# KiCad board GNSS_breakout_L86-M33.kicad_pcb (continued)
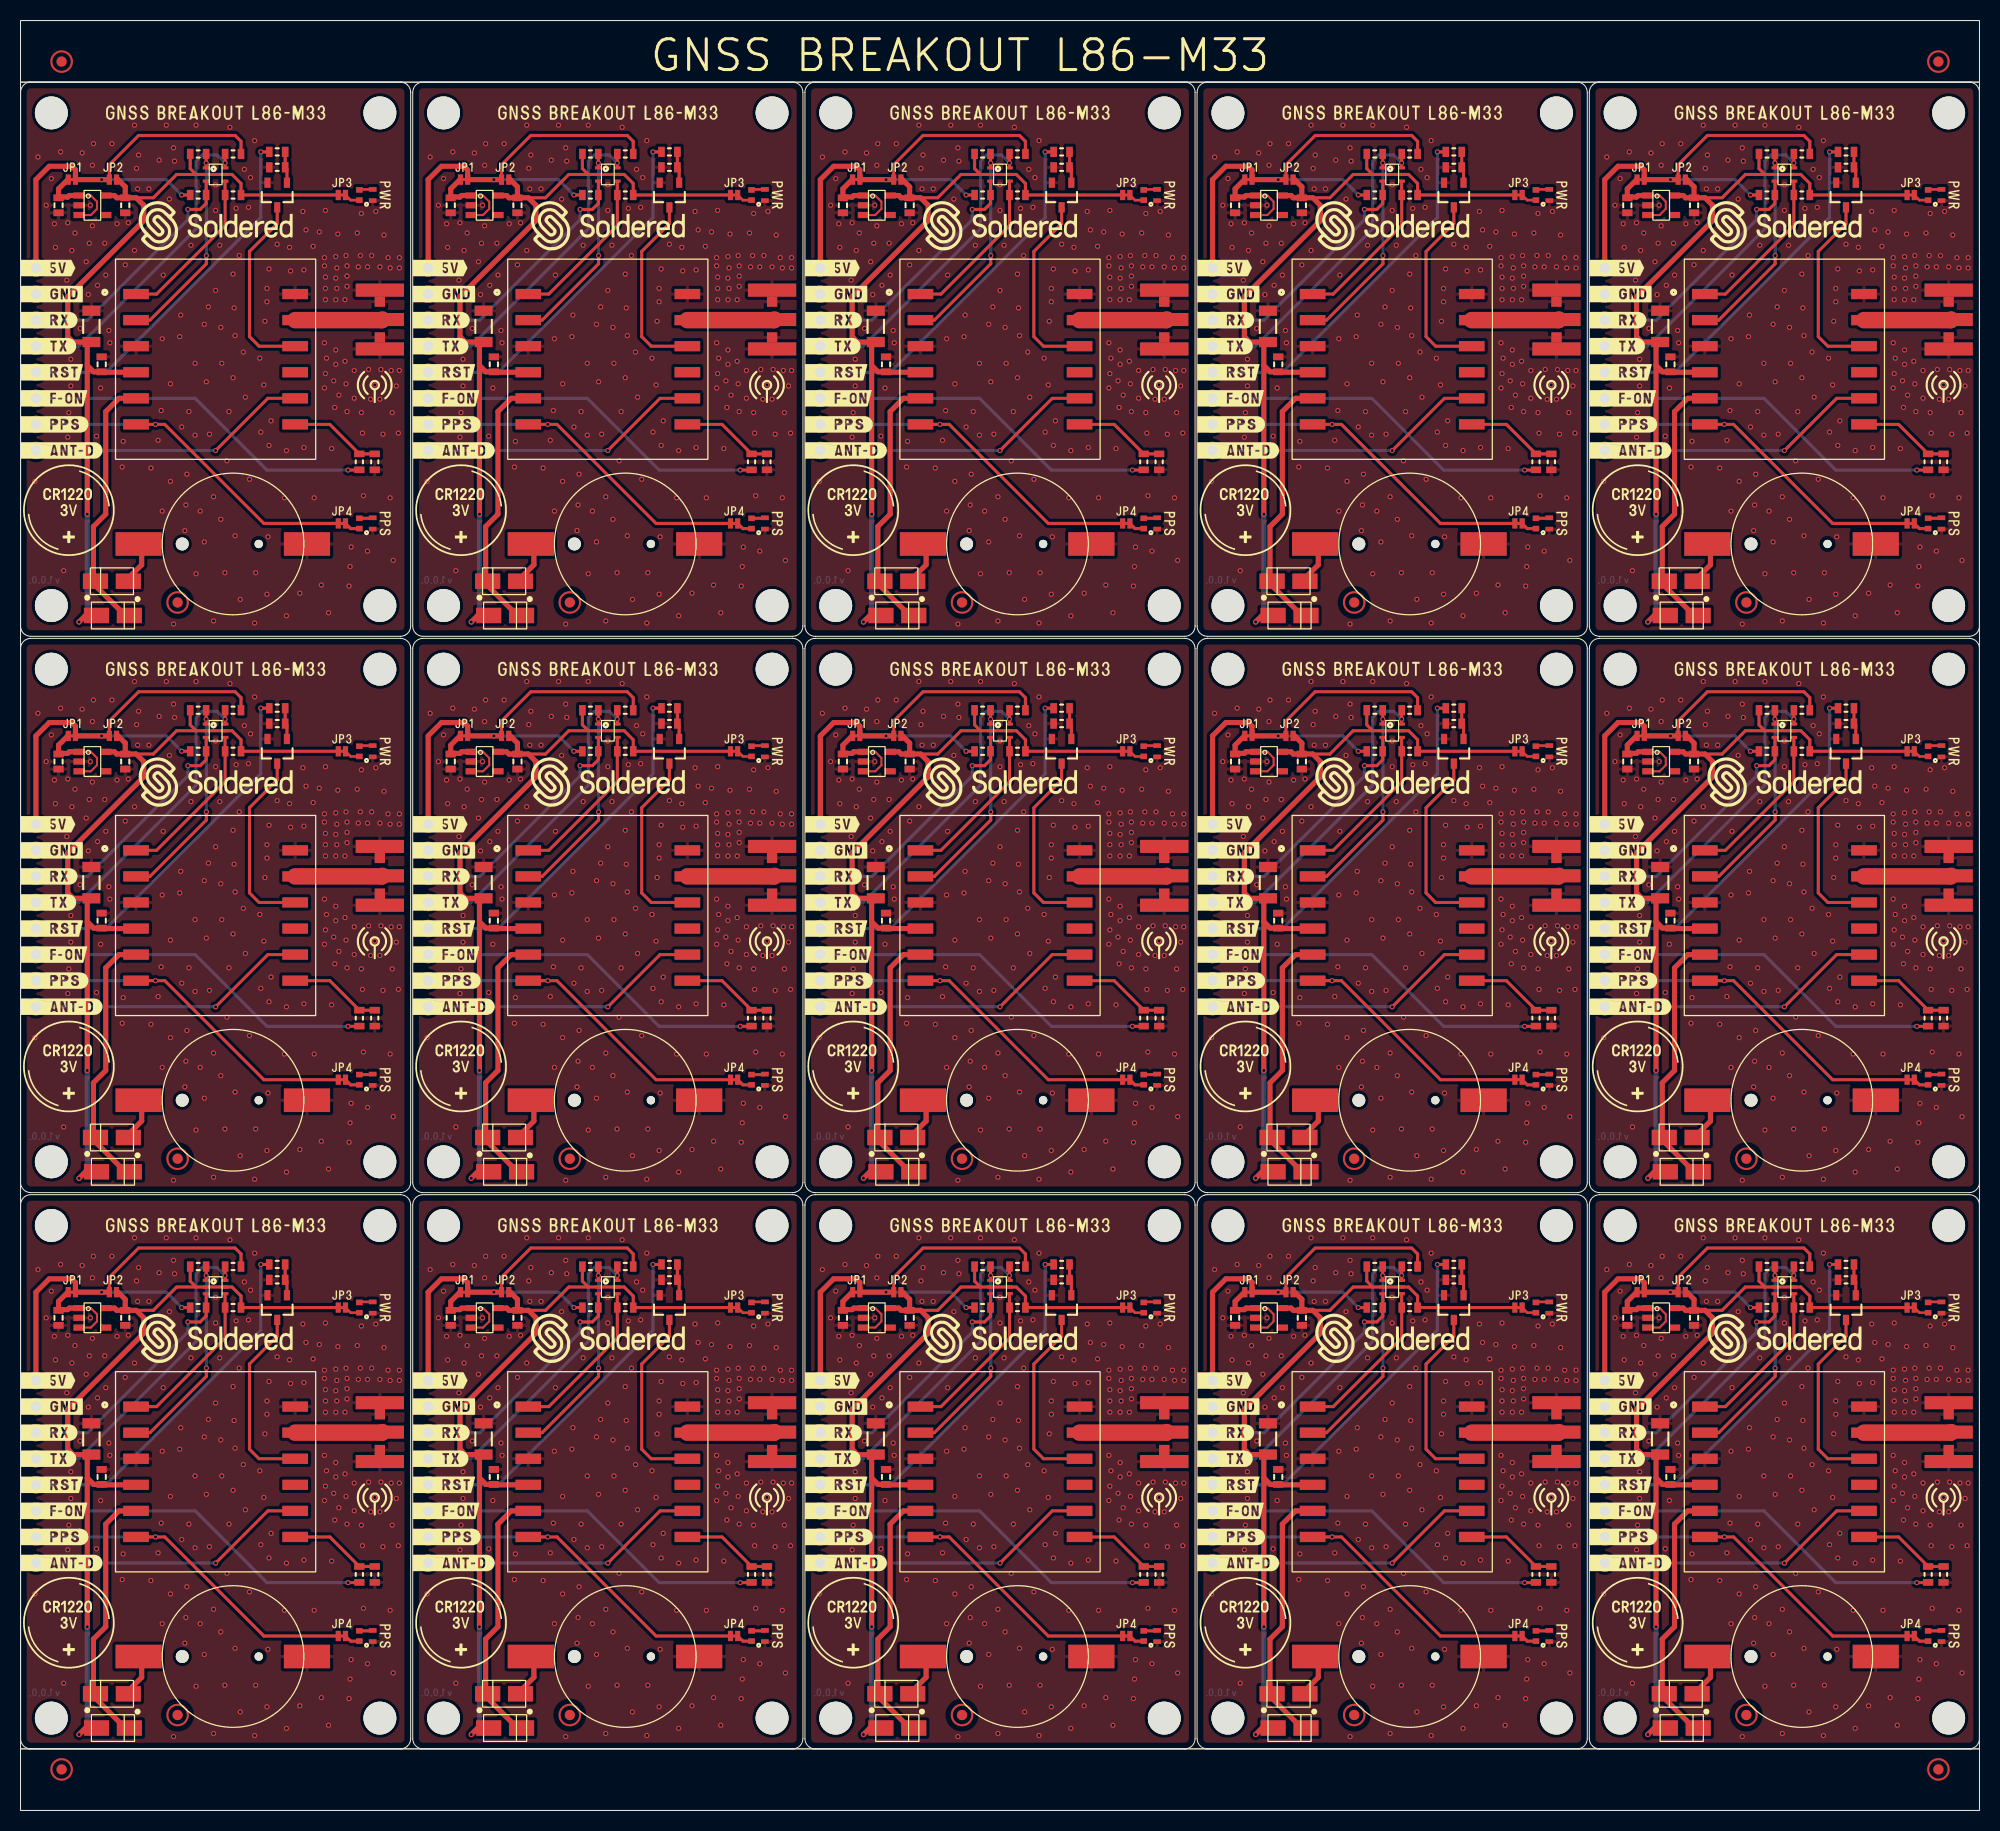
[diagram p0: board, top side]
## Routing (per net, layer and track width the routed paths; a pad name or vN(x,y) marks a point on that pad's centre or on a via; arc(x,y) is an arc through that point) (continued)
v1(96.3,66.4) v1(96.3,12.2) v1(96.5,131.5) v1(96.5,77.3) v1(96.5,23.1) v1(96.7,136.3) v1(96.7,82.1) v1(96.7,27.9) v1(96.8,164) v1(96.8,109.8) v1(96.8,55.6) v1(97.1,149.7) v1(97.1,139.6) v1(97.1,95.5) v1(97.1,85.4) v1(97.1,41.3) v1(97.1,31.2) v1(97.2,146.4) v1(97.2,92.2) v1(97.2,38) v1(97.3,143.7) v1(97.3,124.2) v1(97.3,89.5) v1(97.3,70) v1(97.3,35.3) v1(97.3,15.8) v1(97.4,156.1) v1(97.4,101.9) v1(97.4,47.7) v1(97.7,151.5) v1(97.7,97.3) v1(97.7,43.1) v1(97.8,118) v1(97.8,63.8) v1(97.8,9.6) v1(98.1,142.1) v1(98.1,87.9) v1(98.1,33.7) v1(98.2,159.9) v1(98.2,105.7) v1(98.2,51.5) v1(98.3,137.7) v1(98.3,83.5) v1(98.3,29.3) v1(98.6,156.2) v1(98.6,102) v1(98.6,47.8) v1(98.7,129.7) v1(98.7,75.5) v1(98.7,21.3) v1(98.8,159.1) v1(98.8,104.9) v1(98.8,50.7) v1(99.2,162.7) v1(99.2,115.7) v1(99.2,108.5) v1(99.2,61.5) v1(99.2,54.3) v1(99.2,7.3) v1(99.3,120.6) v1(99.3,66.4) v1(99.3,12.2) v1(99.7,141.5) v1(99.7,87.3) v1(99.7,33.1) v1(99.8,134.3) v1(99.8,80.1) v1(99.8,25.9) v1(100.1,138.9) v1(100.1,84.7) v1(100.1,30.5) v1(100.2,145.1) v1(100.2,90.9) v1(100.2,36.7) v1(100.4,148.3) v1(100.4,147) v1(100.4,118.5) v1(100.4,94.1) v1(100.4,92.8) v1(100.4,64.3) v1(100.4,39.9) v1(100.4,38.6) v1(100.4,10.1) v1(100.5,124.1) v1(100.5,69.9) v1(100.5,15.7) v1(100.6,150.2) v1(100.6,133) v1(100.6,96) v1(100.6,78.8) v1(100.6,41.8) v1(100.6,24.6) v1(100.8,135.4) v1(100.8,81.2) v1(100.8,27) v1(101.4,152.6) v1(101.4,98.4) v1(101.4,44.2) v1(102.1,127.9) v1(102.1,73.7) v1(102.1,19.5) v1(102.3,132.5) v1(102.3,116.4) v1(102.3,78.3) v1(102.3,62.2) v1(102.3,24.1) v1(102.3,8) v1(102.6,152.3) v1(102.6,98.1) v1(102.6,43.9) v1(102.7,150) v1(102.7,95.8) v1(102.7,41.6) v1(103.6,118.6) v1(103.6,64.4) v1(103.6,10.2) v1(103.9,155.8) v1(103.9,101.6) v1(103.9,47.4) v1(104,150.1) v1(104,132.8) v1(104,95.9) v1(104,78.6) v1(104,41.7) v1(104,24.4) v1(104.2,154) v1(104.2,99.8) v1(104.2,45.6) v1(104.9,152.4) v1(104.9,98.2) v1(104.9,44) v1(105,127.9) v1(105,73.7) v1(105,19.5) v1(105.5,153.8) v1(105.5,99.6) v1(105.5,45.4) v1(105.7,119.4) v1(105.7,65.2) v1(105.7,11) v1(106,151.3) v1(106,150.5) v1(106,143) v1(106,138.6) v1(106,97.1) v1(106,96.3) v1(106,88.8) v1(106,84.4) v1(106,42.9) v1(106,42.1) v1(106,34.6) v1(106,30.2) v1(106.1,155.9) v1(106.1,149.4) v1(106.1,148.3) v1(106.1,147.2) v1(106.1,140) v1(106.1,101.7) v1(106.1,95.2) v1(106.1,94.1) v1(106.1,93) v1(106.1,85.8) v1(106.1,47.5) v1(106.1,41) v1(106.1,39.9) v1(106.1,38.8) v1(106.1,31.6) v1(106.2,141.5) v1(106.2,87.3) v1(106.2,33.1) v1(106.4,116.7) v1(106.4,62.5) v1(106.4,8.3) v1(106.7,132.7) v1(106.7,78.5) v1(106.7,24.3) v1(106.9,139.3) v1(106.9,85.1) v1(106.9,30.9) v1(107,136.7) v1(107,82.5) v1(107,28.3) v1(107.1,151.4) v1(107.1,149.3) v1(107.1,147.2) v1(107.1,142.3) v1(107.1,140.9) v1(107.1,97.2) v1(107.1,95.1) v1(107.1,93) v1(107.1,88.1) v1(107.1,86.7) v1(107.1,43) v1(107.1,40.9) v1(107.1,38.8) v1(107.1,33.9) v1(107.1,32.5) v1(107.2,150.3) v1(107.2,148.3) v1(107.2,96.1) v1(107.2,94.1) v1(107.2,41.9) v1(107.2,39.9) v1(107.3,153.6) v1(107.3,99.4) v1(107.3,45.2) v1(107.4,137.9) v1(107.4,83.7) v1(107.4,29.5) v1(108,147.2) v1(108,141.2) v1(108,93) v1(108,87) v1(108,38.8) v1(108,32.8) v1(108.1,151.5) v1(108.1,139) v1(108.1,97.3) v1(108.1,84.8) v1(108.1,43.1) v1(108.1,30.6) v1(108.2,150.5) v1(108.2,149.5) v1(108.2,148.5) v1(108.2,136.3) v1(108.2,96.3) v1(108.2,95.3) v1(108.2,94.3) v1(108.2,82.1) v1(108.2,42.1) v1(108.2,41.1) v1(108.2,40.1) v1(108.2,27.9) v1(108.4,119.3) v1(108.4,65.1) v1(108.4,10.9) v1(108.5,121.2) v1(108.5,67) v1(108.5,12.8) v1(108.6,123.1) v1(108.6,68.9) v1(108.6,14.7) v1(108.9,140.3) v1(108.9,137.6) v1(108.9,86.1) v1(108.9,83.4) v1(108.9,31.9) v1(108.9,29.2) v1(109.2,153.7) v1(109.2,99.5) v1(109.2,45.3) v1(109.3,150.4) v1(109.3,96.2) v1(109.3,42) v1(109.5,151.5) v1(109.5,97.3) v1(109.5,43.1) v1(109.6,155.6) v1(109.6,136.2) v1(109.6,101.4) v1(109.6,82) v1(109.6,47.2) v1(109.6,27.8) v1(109.7,134.2) v1(109.7,80) v1(109.7,25.8) v1(109.8,128.1) v1(109.8,73.9) v1(109.8,19.7) v1(110.2,150.4) v1(110.2,122.7) v1(110.2,96.2) v1(110.2,68.5) v1(110.2,42) v1(110.2,14.3) v1(110.3,140.4) v1(110.3,86.2) v1(110.3,32) v1(110.5,137.5) v1(110.5,83.3) v1(110.5,29.1) v1(110.6,151.5) v1(110.6,97.3) v1(110.6,43.1) v1(110.9,138.9) v1(110.9,84.7) v1(110.9,30.5) v1(111,155.8) v1(111,101.6) v1(111,47.4) v1(111.4,150.4) v1(111.4,137.5) v1(111.4,96.2) v1(111.4,83.3) v1(111.4,42) v1(111.4,29.1) v1(111.5,140.4) v1(111.5,86.2) v1(111.5,32) v1(111.7,134.1) v1(111.7,79.9) v1(111.7,25.7) v1(111.8,153.5) v1(111.8,99.3) v1(111.8,45.1) v1(112.2,151.3) v1(112.2,97.1) v1(112.2,42.9) v1(112.4,150.3) v1(112.4,127.9) v1(112.4,96.1) v1(112.4,73.7) v1(112.4,41.9) v1(112.4,19.5) v1(112.5,140.3) v1(112.5,86.1) v1(112.5,31.9) v1(112.6,136.2) v1(112.6,82) v1(112.6,27.8) v1(112.7,121.8) v1(112.7,67.6) v1(112.7,13.4) v1(113,138.8) v1(113,84.6) v1(113,30.4) v1(113.2,134.2) v1(113.2,80) v1(113.2,25.8) v1(113.3,151.3) v1(113.3,150.3) v1(113.3,140.3) v1(113.3,97.1) v1(113.3,96.1) v1(113.3,86.1) v1(113.3,42.9) v1(113.3,41.9) v1(113.3,31.9) v1(116,129.5) v1(116,75.3) v1(116,21.1) v1(116.3,161.1) v1(116.3,106.9) v1(116.3,52.7) v1(117.1,156.4) v1(117.1,102.2) v1(117.1,48) v1(117.6,159) v1(117.6,104.8) v1(117.6,50.6) v1(117.9,154.6) v1(117.9,100.4) v1(117.9,46.2) v1(118,152.3) v1(118,98.1) v1(118,43.9) v1(118.5,161.6) v1(118.5,107.4) v1(118.5,53.2) v1(118.8,120.8) v1(118.8,66.6) v1(118.8,12.4) v1(119.1,149.1) v1(119.1,94.9) v1(119.1,40.7) v1(119.2,154.7) v1(119.2,133.8) v1(119.2,100.5) v1(119.2,79.6) v1(119.2,46.3) v1(119.2,25.4) v1(119.3,136.2) v1(119.3,82) v1(119.3,27.8) v1(119.5,141.4) v1(119.5,138.8) v1(119.5,87.2) v1(119.5,84.6) v1(119.5,33) v1(119.5,30.4) v1(119.6,152) v1(119.6,97.8) v1(119.6,43.6) v1(119.9,153.7) v1(119.9,99.5) v1(119.9,45.3) v1(120.4,144.4) v1(120.4,90.2) v1(120.4,36) v1(120.6,161.5) v1(120.6,107.3) v1(120.6,53.1) v1(121,150.9) v1(121,96.7) v1(121,42.5) v1(121.2,147.7) v1(121.2,93.5) v1(121.2,39.3) v1(121.3,152.7) v1(121.3,98.5) v1(121.3,44.3) v1(121.4,156.4) v1(121.4,102.2) v1(121.4,48) v1(121.6,160.3) v1(121.6,154.4) v1(121.6,106.1) v1(121.6,100.2) v1(121.6,51.9) v1(121.6,46) v1(121.7,162.4) v1(121.7,108.2) v1(121.7,54) v1(122,133.9) v1(122,79.7) v1(122,25.5) v1(122.1,148.6) v1(122.1,94.4) v1(122.1,40.2) v1(122.4,138.6) v1(122.4,84.4) v1(122.4,30.2) v1(122.8,152.7) v1(122.8,98.5) v1(122.8,44.3) v1(122.9,149.6) v1(122.9,95.4) v1(122.9,41.2) v1(123.2,144.2) v1(123.2,90) v1(123.2,35.8) v1(123.3,143) v1(123.3,88.8) v1(123.3,34.6) v1(123.5,162.4) v1(123.5,108.2) v1(123.5,54) v1(124,154.6) v1(124,100.4) v1(124,46.2) v1(124.5,130.9) v1(124.5,76.7) v1(124.5,22.5) v1(124.6,133.4) v1(124.6,79.2) v1(124.6,25) v1(124.8,150.6) v1(124.8,96.4) v1(124.8,42.2) v1(125.1,154.7) v1(125.1,100.5) v1(125.1,46.3) v1(125.7,164.2) v1(125.7,152) v1(125.7,110) v1(125.7,97.8) v1(125.7,55.8) v1(125.7,43.6) v1(125.9,160) v1(125.9,105.8) v1(125.9,51.6) v1(126,158) v1(126,103.8) v1(126,49.6) v1(126.1,161.3) v1(126.1,107.1) v1(126.1,52.9) v1(127.1,158) v1(127.1,103.8) v1(127.1,49.6) v1(127.3,130.8) v1(127.3,76.6) v1(127.3,22.4) v1(128,133.5) v1(128,79.3) v1(128,25.1) v1(128.1,160.8) v1(128.1,106.6) v1(128.1,52.4) v1(128.3,136.4) v1(128.3,82.2) v1(128.3,28) v1(128.4,143.4) v1(128.4,126.6) v1(128.4,89.2) v1(128.4,72.4) v1(128.4,35) v1(128.4,18.2) v1(128.5,149.6) v1(128.5,95.4) v1(128.5,41.2) v1(128.8,164.2) v1(128.8,110) v1(128.8,55.8) v1(129.1,157) v1(129.1,102.8) v1(129.1,48.6) v1(129.2,139) v1(129.2,129.5) v1(129.2,84.8) v1(129.2,75.3) v1(129.2,30.6) v1(129.2,21.1) v1(129.5,162) v1(129.5,115.6) v1(129.5,107.8) v1(129.5,61.4) v1(129.5,53.6) v1(129.5,7.2) v1(129.6,160.7) v1(129.6,106.5) v1(129.6,52.3) v1(130.1,143.6) v1(130.1,89.4) v1(130.1,35.2) v1(130.2,145.7) v1(130.2,91.5) v1(130.2,37.3) v1(130.3,134.8) v1(130.3,80.6) v1(130.3,26.4) v1(130.6,124.7) v1(130.6,70.5) v1(130.6,16.3) v1(130.7,127.2) v1(130.7,73) v1(130.7,18.8) v1(130.8,130.2) v1(130.8,76) v1(130.8,21.8) v1(131,136.3) v1(131,82.1) v1(131,27.9) v1(131.2,152.5) v1(131.2,98.3) v1(131.2,44.1) v1(131.6,141) v1(131.6,134) v1(131.6,86.8) v1(131.6,79.8) v1(131.6,32.6) v1(131.6,25.6) v1(131.7,164.2) v1(131.7,120.5) v1(131.7,110) v1(131.7,66.3) v1(131.7,55.8) v1(131.7,12.1) v1(132.1,126.6) v1(132.1,72.4) v1(132.1,18.2) v1(132.5,144.8) v1(132.5,123.6) v1(132.5,90.6) v1(132.5,69.4) v1(132.5,36.4) v1(132.5,15.2) v1(132.7,139.2) v1(132.7,85) v1(132.7,30.8) v1(132.9,146.5) v1(132.9,92.3) v1(132.9,38.1) v1(133,134.1) v1(133,79.9) v1(133,25.7) v1(133.4,128) v1(133.4,115.9) v1(133.4,73.8) v1(133.4,61.7) v1(133.4,19.6) v1(133.4,7.5) v1(133.6,158.4) v1(133.6,155.9) v1(133.6,148.1) v1(133.6,104.2) v1(133.6,101.7) v1(133.6,93.9) v1(133.6,50) v1(133.6,47.5) v1(133.6,39.7) v1(134,152.5) v1(134,98.3) v1(134,44.1) v1(134.1,144.5) v1(134.1,125.8) v1(134.1,90.3) v1(134.1,71.6) v1(134.1,36.1) v1(134.1,17.4) v1(134.2,141) v1(134.2,86.8) v1(134.2,32.6) v1(134.5,120.6) v1(134.5,66.4) v1(134.5,12.2) v1(134.7,131.5) v1(134.7,77.3) v1(134.7,23.1) v1(134.9,136.3) v1(134.9,82.1) v1(134.9,27.9) v1(135,164) v1(135,109.8) v1(135,55.6) v1(135.3,149.7) v1(135.3,139.6) v1(135.3,95.5) v1(135.3,85.4) v1(135.3,41.3) v1(135.3,31.2) v1(135.4,146.4) v1(135.4,92.2) v1(135.4,38) v1(135.5,143.7) v1(135.5,124.2) v1(135.5,89.5) v1(135.5,70) v1(135.5,35.3) v1(135.5,15.8) v1(135.6,156.1) v1(135.6,101.9) v1(135.6,47.7) v1(135.9,151.5) v1(135.9,97.3) v1(135.9,43.1) v1(136,118) v1(136,63.8) v1(136,9.6) v1(136.3,142.1) v1(136.3,87.9) v1(136.3,33.7) v1(136.4,159.9) v1(136.4,105.7) v1(136.4,51.5) v1(136.5,137.7) v1(136.5,83.5) v1(136.5,29.3) v1(136.8,156.2) v1(136.8,102) v1(136.8,47.8) v1(136.9,129.7) v1(136.9,75.5) v1(136.9,21.3) v1(137,159.1) v1(137,104.9) v1(137,50.7) v1(137.4,162.7) v1(137.4,115.7) v1(137.4,108.5) v1(137.4,61.5) v1(137.4,54.3) v1(137.4,7.3) v1(137.5,120.6) v1(137.5,66.4) v1(137.5,12.2) v1(137.9,141.5) v1(137.9,87.3) v1(137.9,33.1) v1(138,134.3) v1(138,80.1) v1(138,25.9) v1(138.3,138.9) v1(138.3,84.7) v1(138.3,30.5) v1(138.4,145.1) v1(138.4,90.9) v1(138.4,36.7) v1(138.6,148.3) v1(138.6,147) v1(138.6,118.5) v1(138.6,94.1) v1(138.6,92.8) v1(138.6,64.3) v1(138.6,39.9) v1(138.6,38.6) v1(138.6,10.1) v1(138.7,124.1) v1(138.7,69.9) v1(138.7,15.7) v1(138.8,150.2) v1(138.8,133) v1(138.8,96) v1(138.8,78.8) v1(138.8,41.8) v1(138.8,24.6) v1(139,135.4) v1(139,81.2) v1(139,27) v1(139.6,152.6) v1(139.6,98.4) v1(139.6,44.2) v1(140.3,127.9) v1(140.3,73.7) v1(140.3,19.5) v1(140.5,132.5) v1(140.5,116.4) v1(140.5,78.3) v1(140.5,62.2) v1(140.5,24.1) v1(140.5,8) v1(140.8,152.3) v1(140.8,98.1) v1(140.8,43.9) v1(140.9,150) v1(140.9,95.8) v1(140.9,41.6) v1(141.8,118.6) v1(141.8,64.4) v1(141.8,10.2) v1(142.1,155.8) v1(142.1,101.6) v1(142.1,47.4) v1(142.2,150.1) v1(142.2,132.8) v1(142.2,95.9) v1(142.2,78.6) v1(142.2,41.7) v1(142.2,24.4) v1(142.4,154) v1(142.4,99.8) v1(142.4,45.6) v1(143.1,152.4) v1(143.1,98.2) v1(143.1,44) v1(143.2,127.9) v1(143.2,73.7) v1(143.2,19.5) v1(143.7,153.8) v1(143.7,99.6) v1(143.7,45.4) v1(143.9,119.4) v1(143.9,65.2) v1(143.9,11) v1(144.2,151.3) v1(144.2,150.5) v1(144.2,143) v1(144.2,138.6) v1(144.2,97.1) v1(144.2,96.3) v1(144.2,88.8) v1(144.2,84.4) v1(144.2,42.9) v1(144.2,42.1) v1(144.2,34.6) v1(144.2,30.2) v1(144.3,155.9) v1(144.3,149.4) v1(144.3,148.3) v1(144.3,147.2) v1(144.3,140) v1(144.3,101.7) v1(144.3,95.2) v1(144.3,94.1) v1(144.3,93) v1(144.3,85.8) v1(144.3,47.5) v1(144.3,41) v1(144.3,39.9) v1(144.3,38.8) v1(144.3,31.6) v1(144.4,141.5) v1(144.4,87.3) v1(144.4,33.1) v1(144.6,116.7) v1(144.6,62.5) v1(144.6,8.3) v1(144.9,132.7) v1(144.9,78.5) v1(144.9,24.3) v1(145.1,139.3) v1(145.1,85.1) v1(145.1,30.9) v1(145.2,136.7) v1(145.2,82.5) v1(145.2,28.3) v1(145.3,151.4) v1(145.3,149.3) v1(145.3,147.2) v1(145.3,142.3) v1(145.3,140.9) v1(145.3,97.2) v1(145.3,95.1) v1(145.3,93) v1(145.3,88.1) v1(145.3,86.7) v1(145.3,43) v1(145.3,40.9) v1(145.3,38.8) v1(145.3,33.9) v1(145.3,32.5) v1(145.4,150.3) v1(145.4,148.3) v1(145.4,96.1) v1(145.4,94.1) v1(145.4,41.9) v1(145.4,39.9) v1(145.5,153.6) v1(145.5,99.4) v1(145.5,45.2) v1(145.6,137.9) v1(145.6,83.7) v1(145.6,29.5) v1(146.2,147.2) v1(146.2,141.2) v1(146.2,93) v1(146.2,87) v1(146.2,38.8) v1(146.2,32.8) v1(146.3,151.5) v1(146.3,139) v1(146.3,97.3) v1(146.3,84.8) v1(146.3,43.1) v1(146.3,30.6) v1(146.4,150.5) v1(146.4,149.5) v1(146.4,148.5) v1(146.4,136.3) v1(146.4,96.3) v1(146.4,95.3) v1(146.4,94.3) v1(146.4,82.1) v1(146.4,42.1) v1(146.4,41.1) v1(146.4,40.1) v1(146.4,27.9) v1(146.6,119.3) v1(146.6,65.1) v1(146.6,10.9) v1(146.7,121.2) v1(146.7,67) v1(146.7,12.8) v1(146.8,123.1) v1(146.8,68.9) v1(146.8,14.7) v1(147.1,140.3) v1(147.1,137.6) v1(147.1,86.1) v1(147.1,83.4) v1(147.1,31.9) v1(147.1,29.2) v1(147.4,153.7) v1(147.4,99.5) v1(147.4,45.3) v1(147.5,150.4) v1(147.5,96.2) v1(147.5,42) v1(147.7,151.5) v1(147.7,97.3) v1(147.7,43.1) v1(147.8,155.6) v1(147.8,136.2) v1(147.8,101.4) v1(147.8,82) v1(147.8,47.2) v1(147.8,27.8) v1(147.9,134.2) v1(147.9,80) v1(147.9,25.8) v1(148,128.1) v1(148,73.9) v1(148,19.7) v1(148.4,150.4) v1(148.4,122.7) v1(148.4,96.2) v1(148.4,68.5) v1(148.4,42) v1(148.4,14.3) v1(148.5,140.4) v1(148.5,86.2) v1(148.5,32) v1(148.7,137.5) v1(148.7,83.3) v1(148.7,29.1) v1(148.8,151.5) v1(148.8,97.3) v1(148.8,43.1) v1(149.1,138.9) v1(149.1,84.7) v1(149.1,30.5) v1(149.2,155.8) v1(149.2,101.6) v1(149.2,47.4) v1(149.6,150.4) v1(149.6,137.5) v1(149.6,96.2) v1(149.6,83.3) v1(149.6,42) v1(149.6,29.1) v1(149.7,140.4) v1(149.7,86.2) v1(149.7,32) v1(149.9,134.1) v1(149.9,79.9) v1(149.9,25.7) v1(150,153.5) v1(150,99.3) v1(150,45.1) v1(150.4,151.3) v1(150.4,97.1) v1(150.4,42.9) v1(150.6,150.3) v1(150.6,127.9) v1(150.6,96.1) v1(150.6,73.7) v1(150.6,41.9) v1(150.6,19.5) v1(150.7,140.3) v1(150.7,86.1) v1(150.7,31.9) v1(150.8,136.2) v1(150.8,82) v1(150.8,27.8) v1(150.9,121.8) v1(150.9,67.6) v1(150.9,13.4) v1(151.2,138.8) v1(151.2,84.6) v1(151.2,30.4) v1(151.4,134.2) v1(151.4,80) v1(151.4,25.8) v1(151.5,151.3) v1(151.5,150.3) v1(151.5,140.3) v1(151.5,97.1) v1(151.5,96.1) v1(151.5,86.1) v1(151.5,42.9) v1(151.5,41.9) v1(151.5,31.9) v1(154.2,129.5) v1(154.2,75.3) v1(154.2,21.1) v1(154.5,161.1) v1(154.5,106.9) v1(154.5,52.7) v1(155.3,156.4) v1(155.3,102.2) v1(155.3,48) v1(155.8,159) v1(155.8,104.8) v1(155.8,50.6) v1(156.1,154.6) v1(156.1,100.4) v1(156.1,46.2) v1(156.2,152.3) v1(156.2,98.1) v1(156.2,43.9) v1(156.7,161.6) v1(156.7,107.4) v1(156.7,53.2) v1(157,120.8) v1(157,66.6) v1(157,12.4) v1(157.3,149.1) v1(157.3,94.9) v1(157.3,40.7) v1(157.4,154.7) v1(157.4,133.8) v1(157.4,100.5) v1(157.4,79.6) v1(157.4,46.3) v1(157.4,25.4) v1(157.5,136.2) v1(157.5,82) v1(157.5,27.8) v1(157.7,141.4) v1(157.7,138.8) v1(157.7,87.2) v1(157.7,84.6) v1(157.7,33) v1(157.7,30.4) v1(157.8,152) v1(157.8,97.8) v1(157.8,43.6) v1(158.1,153.7) v1(158.1,99.5) v1(158.1,45.3) v1(158.6,144.4) v1(158.6,90.2) v1(158.6,36) v1(158.8,161.5) v1(158.8,107.3) v1(158.8,53.1) v1(159.2,150.9) v1(159.2,96.7) v1(159.2,42.5) v1(159.4,147.7) v1(159.4,93.5) v1(159.4,39.3) v1(159.5,152.7) v1(159.5,98.5) v1(159.5,44.3) v1(159.6,156.4) v1(159.6,102.2) v1(159.6,48) v1(159.8,160.3) v1(159.8,154.4) v1(159.8,106.1) v1(159.8,100.2) v1(159.8,51.9) v1(159.8,46) v1(159.9,162.4) v1(159.9,108.2) v1(159.9,54) v1(160.2,133.9) v1(160.2,79.7) v1(160.2,25.5) v1(160.3,148.6) v1(160.3,94.4) v1(160.3,40.2) v1(160.6,138.6) v1(160.6,84.4) v1(160.6,30.2) v1(161,152.7) v1(161,98.5) v1(161,44.3) v1(161.1,149.6) v1(161.1,95.4) v1(161.1,41.2) v1(161.4,144.2) v1(161.4,90) v1(161.4,35.8) v1(161.5,143) v1(161.5,88.8) v1(161.5,34.6) v1(161.7,162.4) v1(161.7,108.2) v1(161.7,54) v1(162.2,154.6) v1(162.2,100.4) v1(162.2,46.2) v1(162.7,130.9) v1(162.7,76.7) v1(162.7,22.5) v1(162.8,133.4) v1(162.8,79.2) v1(162.8,25) v1(163,150.6) v1(163,96.4) v1(163,42.2) v1(163.3,154.7) v1(163.3,100.5) v1(163.3,46.3) v1(163.9,164.2) v1(163.9,152) v1(163.9,110) v1(163.9,97.8) v1(163.9,55.8) v1(163.9,43.6) v1(164.1,160) v1(164.1,105.8) v1(164.1,51.6) v1(164.2,158) v1(164.2,103.8) v1(164.2,49.6) v1(164.3,161.3) v1(164.3,107.1) v1(164.3,52.9) v1(165.3,158) v1(165.3,103.8) v1(165.3,49.6) v1(165.5,130.8) v1(165.5,76.6) v1(165.5,22.4) v1(166.2,133.5) v1(166.2,79.3) v1(166.2,25.1) v1(166.3,160.8) v1(166.3,106.6) v1(166.3,52.4) v1(166.5,136.4) v1(166.5,82.2) v1(166.5,28) v1(166.6,143.4) v1(166.6,126.6) v1(166.6,89.2) v1(166.6,72.4) v1(166.6,35) v1(166.6,18.2) v1(166.7,149.6) v1(166.7,95.4) v1(166.7,41.2) v1(167,164.2) v1(167,110) v1(167,55.8) v1(167.3,157) v1(167.3,102.8) v1(167.3,48.6) v1(167.4,139) v1(167.4,129.5) v1(167.4,84.8) v1(167.4,75.3) v1(167.4,30.6) v1(167.4,21.1) v1(167.7,162) v1(167.7,115.6) v1(167.7,107.8) v1(167.7,61.4) v1(167.7,53.6) v1(167.7,7.2) v1(167.8,160.7) v1(167.8,106.5) v1(167.8,52.3) v1(168.3,143.6) v1(168.3,89.4) v1(168.3,35.2) v1(168.4,145.7) v1(168.4,91.5) v1(168.4,37.3) v1(168.5,134.8) v1(168.5,80.6) v1(168.5,26.4) v1(168.8,124.7) v1(168.8,70.5) v1(168.8,16.3) v1(168.9,127.2) v1(168.9,73) v1(168.9,18.8) v1(169,130.2) v1(169,76) v1(169,21.8) v1(169.2,136.3) v1(169.2,82.1) v1(169.2,27.9) v1(169.4,152.5) v1(169.4,98.3) v1(169.4,44.1) v1(169.8,141) v1(169.8,134) v1(169.8,86.8) v1(169.8,79.8) v1(169.8,32.6) v1(169.8,25.6) v1(169.9,164.2) v1(169.9,120.5) v1(169.9,110) v1(169.9,66.3) v1(169.9,55.8) v1(169.9,12.1) v1(170.3,126.6) v1(170.3,72.4) v1(170.3,18.2) v1(170.7,144.8) v1(170.7,123.6) v1(170.7,90.6) v1(170.7,69.4) v1(170.7,36.4) v1(170.7,15.2) v1(170.9,139.2) v1(170.9,85) v1(170.9,30.8) v1(171.1,146.5) v1(171.1,92.3) v1(171.1,38.1) v1(171.2,134.1) v1(171.2,79.9) v1(171.2,25.7) v1(171.6,128) v1(171.6,115.9) v1(171.6,73.8) v1(171.6,61.7) v1(171.6,19.6) v1(171.6,7.5) v1(171.8,158.4) v1(171.8,155.9) v1(171.8,148.1) v1(171.8,104.2) v1(171.8,101.7) v1(171.8,93.9) v1(171.8,50) v1(171.8,47.5) v1(171.8,39.7) v1(172.2,152.5) v1(172.2,98.3) v1(172.2,44.1) v1(172.3,144.5) v1(172.3,125.8) v1(172.3,90.3) v1(172.3,71.6) v1(172.3,36.1) v1(172.3,17.4) v1(172.4,141) v1(172.4,86.8) v1(172.4,32.6) v1(172.7,120.6) v1(172.7,66.4) v1(172.7,12.2) v1(172.9,131.5) v1(172.9,77.3) v1(172.9,23.1) v1(173.1,136.3) v1(173.1,82.1) v1(173.1,27.9) v1(173.2,164) v1(173.2,109.8) v1(173.2,55.6) v1(173.5,149.7) v1(173.5,139.6) v1(173.5,95.5) v1(173.5,85.4) v1(173.5,41.3) v1(173.5,31.2) v1(173.6,146.4) v1(173.6,92.2) v1(173.6,38) v1(173.7,143.7) v1(173.7,124.2) v1(173.7,89.5) v1(173.7,70) v1(173.7,35.3) v1(173.7,15.8) v1(173.8,156.1) v1(173.8,101.9) v1(173.8,47.7) v1(174.1,151.5) v1(174.1,97.3) v1(174.1,43.1) v1(174.2,118) v1(174.2,63.8) v1(174.2,9.6) v1(174.5,142.1) v1(174.5,87.9) v1(174.5,33.7) v1(174.6,159.9) v1(174.6,105.7) v1(174.6,51.5) v1(174.7,137.7) v1(174.7,83.5) v1(174.7,29.3) v1(175,156.2) v1(175,102) v1(175,47.8) v1(175.1,129.7) v1(175.1,75.5) v1(175.1,21.3) v1(175.2,159.1) v1(175.2,104.9) v1(175.2,50.7) v1(175.6,162.7) v1(175.6,115.7) v1(175.6,108.5) v1(175.6,61.5) v1(175.6,54.3) v1(175.6,7.3) v1(175.7,120.6) v1(175.7,66.4) v1(175.7,12.2) v1(176.1,141.5) v1(176.1,87.3) v1(176.1,33.1) v1(176.2,134.3) v1(176.2,80.1) v1(176.2,25.9) v1(176.5,138.9) v1(176.5,84.7) v1(176.5,30.5) v1(176.6,145.1) v1(176.6,90.9) v1(176.6,36.7) v1(176.8,148.3) v1(176.8,147) v1(176.8,118.5) v1(176.8,94.1) v1(176.8,92.8) v1(176.8,64.3) v1(176.8,39.9) v1(176.8,38.6) v1(176.8,10.1) v1(176.9,124.1) v1(176.9,69.9) v1(176.9,15.7) v1(177,150.2) v1(177,133) v1(177,96) v1(177,78.8) v1(177,41.8) v1(177,24.6) v1(177.2,135.4) v1(177.2,81.2) v1(177.2,27) v1(177.8,152.6) v1(177.8,98.4) v1(177.8,44.2) v1(178.5,127.9) v1(178.5,73.7) v1(178.5,19.5) v1(178.7,132.5) v1(178.7,116.4) v1(178.7,78.3) v1(178.7,62.2) v1(178.7,24.1) v1(178.7,8) v1(179,152.3) v1(179,98.1) v1(179,43.9) v1(179.1,150) v1(179.1,95.8) v1(179.1,41.6) v1(180,118.6) v1(180,64.4) v1(180,10.2) v1(180.3,155.8) v1(180.3,101.6) v1(180.3,47.4) v1(180.4,150.1) v1(180.4,132.8) v1(180.4,95.9) v1(180.4,78.6) v1(180.4,41.7) v1(180.4,24.4) v1(180.6,154) v1(180.6,99.8) v1(180.6,45.6) v1(181.3,152.4) v1(181.3,98.2) v1(181.3,44) v1(181.4,127.9) v1(181.4,73.7) v1(181.4,19.5) v1(181.9,153.8) v1(181.9,99.6) v1(181.9,45.4) v1(182.1,119.4) v1(182.1,65.2) v1(182.1,11) v1(182.4,151.3) v1(182.4,150.5) v1(182.4,143) v1(182.4,138.6) v1(182.4,97.1) v1(182.4,96.3) v1(182.4,88.8) v1(182.4,84.4) v1(182.4,42.9) v1(182.4,42.1) v1(182.4,34.6) v1(182.4,30.2) v1(182.5,155.9) v1(182.5,149.4) v1(182.5,148.3) v1(182.5,147.2) v1(182.5,140) v1(182.5,101.7) v1(182.5,95.2) v1(182.5,94.1) v1(182.5,93) v1(182.5,85.8) v1(182.5,47.5) v1(182.5,41) v1(182.5,39.9) v1(182.5,38.8) v1(182.5,31.6) v1(182.6,141.5) v1(182.6,87.3) v1(182.6,33.1) v1(182.8,116.7) v1(182.8,62.5) v1(182.8,8.3) v1(183.1,132.7) v1(183.1,78.5) v1(183.1,24.3) v1(183.3,139.3) v1(183.3,85.1) v1(183.3,30.9) v1(183.4,136.7) v1(183.4,82.5) v1(183.4,28.3) v1(183.5,151.4) v1(183.5,149.3) v1(183.5,147.2) v1(183.5,142.3) v1(183.5,140.9) v1(183.5,97.2) v1(183.5,95.1) v1(183.5,93) v1(183.5,88.1) v1(183.5,86.7) v1(183.5,43) v1(183.5,40.9) v1(183.5,38.8) v1(183.5,33.9) v1(183.5,32.5) v1(183.6,150.3) v1(183.6,148.3) v1(183.6,96.1) v1(183.6,94.1) v1(183.6,41.9) v1(183.6,39.9) v1(183.7,153.6) v1(183.7,99.4) v1(183.7,45.2) v1(183.8,137.9) v1(183.8,83.7) v1(183.8,29.5) v1(184.4,147.2) v1(184.4,141.2) v1(184.4,93) v1(184.4,87) v1(184.4,38.8) v1(184.4,32.8) v1(184.5,151.5) v1(184.5,139) v1(184.5,97.3) v1(184.5,84.8) v1(184.5,43.1) v1(184.5,30.6) v1(184.6,150.5) v1(184.6,149.5) v1(184.6,148.5) v1(184.6,136.3) v1(184.6,96.3) v1(184.6,95.3) v1(184.6,94.3) v1(184.6,82.1) v1(184.6,42.1) v1(184.6,41.1) v1(184.6,40.1) v1(184.6,27.9) v1(184.8,119.3) v1(184.8,65.1) v1(184.8,10.9) v1(184.9,121.2) v1(184.9,67) v1(184.9,12.8) v1(185,123.1) v1(185,68.9) v1(185,14.7) v1(185.3,140.3) v1(185.3,137.6) v1(185.3,86.1) v1(185.3,83.4) v1(185.3,31.9) v1(185.3,29.2) v1(185.6,153.7) v1(185.6,99.5) v1(185.6,45.3) v1(185.7,150.4) v1(185.7,96.2) v1(185.7,42) v1(185.9,151.5) v1(185.9,97.3) v1(185.9,43.1) v1(186,155.6) v1(186,136.2) v1(186,101.4) v1(186,82) v1(186,47.2) v1(186,27.8) v1(186.1,134.2) v1(186.1,80) v1(186.1,25.8) v1(186.2,128.1) v1(186.2,73.9) v1(186.2,19.7) v1(186.6,150.4) v1(186.6,122.7) v1(186.6,96.2) v1(186.6,68.5) v1(186.6,42) v1(186.6,14.3) v1(186.7,140.4) v1(186.7,86.2) v1(186.7,32) v1(186.9,137.5) v1(186.9,83.3) v1(186.9,29.1) v1(187,151.5) v1(187,97.3) v1(187,43.1) v1(187.3,138.9) v1(187.3,84.7) v1(187.3,30.5) v1(187.4,155.8) v1(187.4,101.6) v1(187.4,47.4) v1(187.8,150.4) v1(187.8,137.5) v1(187.8,96.2) v1(187.8,83.3) v1(187.8,42) v1(187.8,29.1) v1(187.9,140.4) v1(187.9,86.2) v1(187.9,32) v1(188.1,134.1) v1(188.1,79.9) v1(188.1,25.7) v1(188.2,153.5) v1(188.2,99.3) v1(188.2,45.1) v1(188.6,151.3) v1(188.6,97.1) v1(188.6,42.9) v1(188.8,150.3) v1(188.8,127.9) v1(188.8,96.1) v1(188.8,73.7) v1(188.8,41.9) v1(188.8,19.5) v1(188.9,140.3) v1(188.9,86.1) v1(188.9,31.9) v1(189,136.2) v1(189,82) v1(189,27.8) v1(189.1,121.8) v1(189.1,67.6) v1(189.1,13.4) v1(189.4,138.8) v1(189.4,84.6) v1(189.4,30.4) v1(189.6,134.2) v1(189.6,80) v1(189.6,25.8) v1(189.7,151.3) v1(189.7,150.3) v1(189.7,140.3) v1(189.7,97.1) v1(189.7,96.1) v1(189.7,86.1) v1(189.7,42.9) v1(189.7,41.9) v1(189.7,31.9)
